# Altium PCB TCM.PcbDoc (part 5 of 10)
Units mm, origin at the board's own origin, x right, y up, seen from the top; angles counter-clockwise.
Board outline 280.25 x 366.95 mm, 6 copper layers (Top, L2, L3, L4, L5, Bot), stack 1.536 mm thick; 503 components, 762 nets, 3201 pads, 1645 vias.
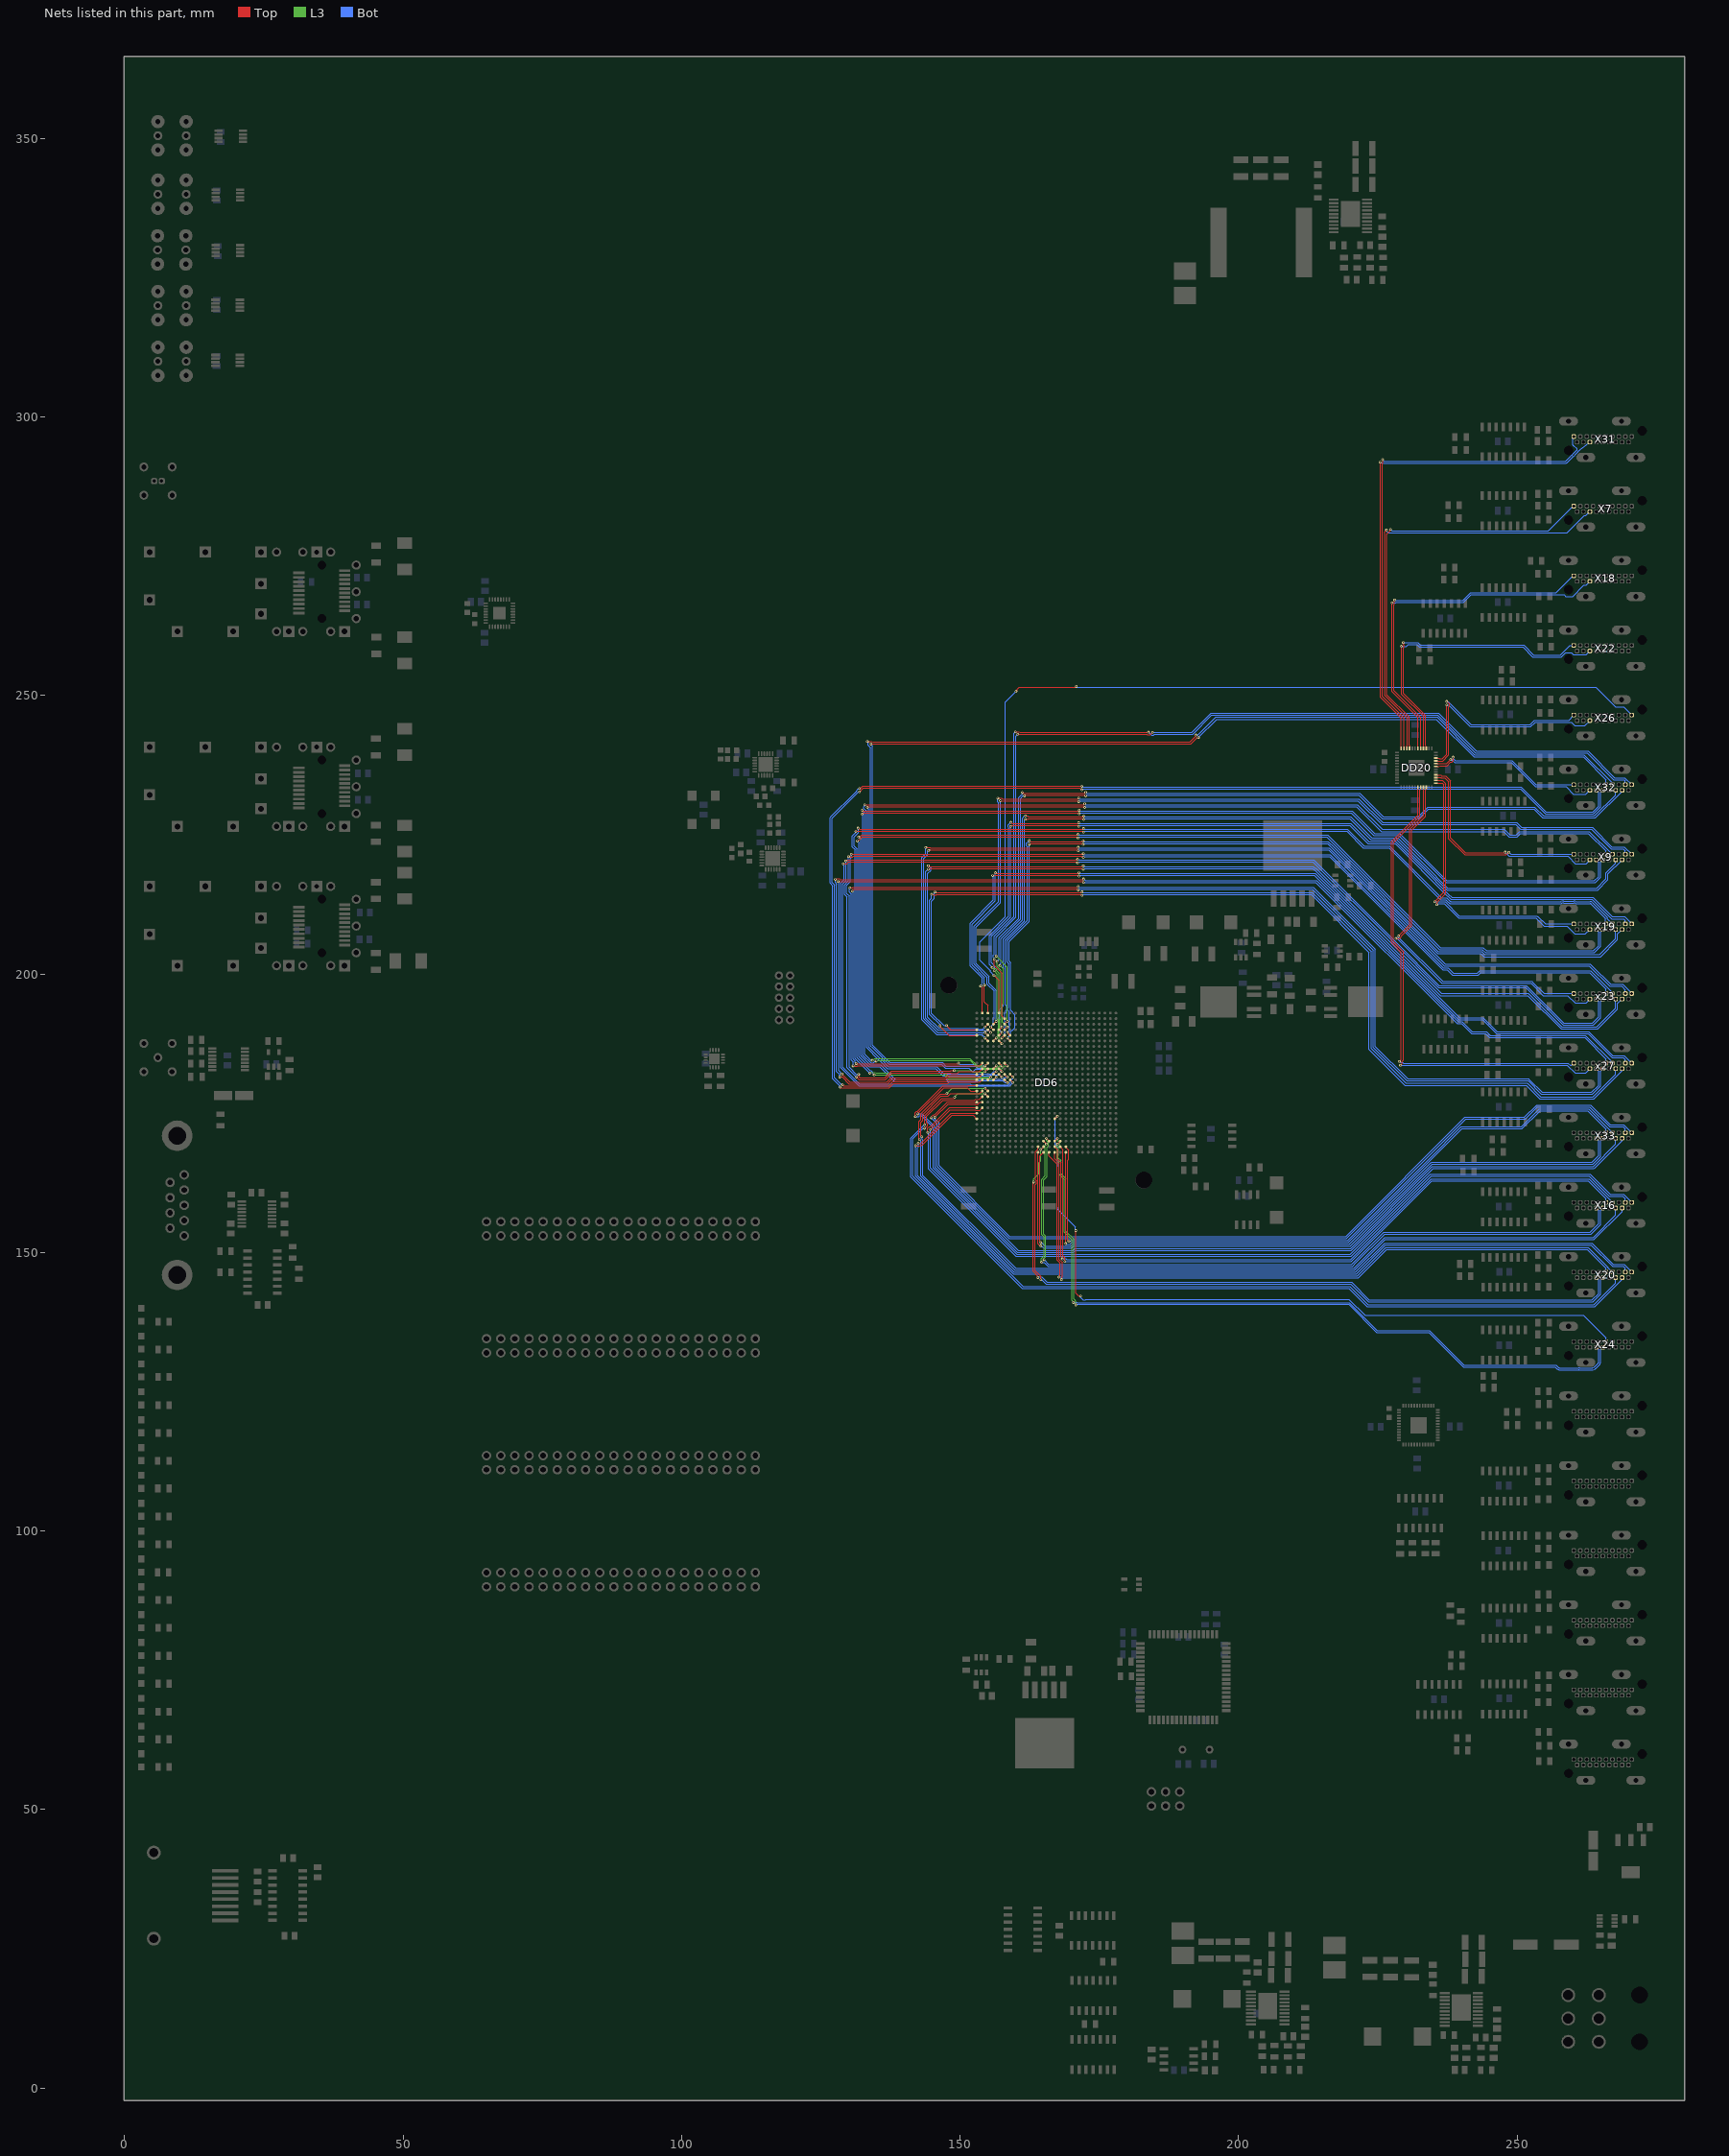
[diagram p9: the nets of this part, all layers, seen from the top]

## Via types
v1: diameter 0.48, hole 0.25, Top to Bot, tented both sides, 1515 vias
v2: diameter 1, hole 0.6, Top to Bot, tented both sides, 117 vias
v3: diameter 0.8, hole 0.4, Top to Bot, tented both sides, 8 vias
v4: diameter 5, hole 2.7, Top to Bot, tented both sides, 4 vias
v5: diameter 0.48/0/0/0/0/0.48 (per signal layer), hole 0.25, Top to Bot, tented both sides, 1 vias

## Nets (pads, with @x,y where several pads share a name; then routed paths per layer and width w, separated by ;. In a path a pad name is that pad's centre, name@x,y a point inside that pad or via, vN(x,y) a via of type N, cw(c..) or ccw(c..) an arc to the next point about the centre after c; other vN are vias at no path point) (continued)
HDMIA4.TCM_DT1_P: DD6.AB1 X26.1 | length 175.1
  Top w0.1: DD6.AB1@157,193 157,195.5
  Top w0.2: v1(156.104,199.729) 156.166,199.729 157,198.895 157,195.5 ; v1(160.051,250.739) 160.051,250.784 160.273,251.006 160.273,251.129 160.633,251.489 170.737,251.489 v1(170.877,251.629)
  Bot w0.2: v1(156.104,199.729) 155.46,200.373 155.46,200.554 153.558,202.456 153.558,205.743 158.134,210.319 158.134,248.822 v1(160.051,250.739) ; v1(170.877,251.629) 170.877,251.52 170.908,251.489 264.136,251.489 267.701,247.924 269.176,247.924 X26.1@270.6,246.5
HDMIA5.TCM_DA0_N: DD6.AE13 X32.12 | length 220.9
  Top w0.1: 150.5,180.617 150.692,180.617 150.724,180.585 153.585,180.585 DD6.AE13@154,181
  Top w0.2: v1(128.454,179.699) 128.562,179.592 137.313,179.592 138.042,180.321 147.762,180.321 148.059,180.617 150.5,180.617 ; v1(131.931,233.33) 132.129,233.33 132.521,233.722 v1(171.859,233.722)
  Bot w0.2: v1(128.454,179.699) 128.454,179.897 127.15,181.202 127.15,215.87 126.697,216.322 126.697,228.092 126.8,228.195 131.152,232.547 131.441,232.836 131.441,232.903 131.728,233.19 131.931,233.19 v1(131.931,233.33) ; v1@171.935,233.582 250.76,233.582 255.215,229.126 263.617,229.126 264.65,230.159 264.65,232.597 X32.12@264.247,233
HDMIA5.TCM_DA0_P: DD6.AF13 X32.10 | length 219.2
  Top w0.1: 150.5,180.967 152.967,180.967 DD6.AF13@153,181
  Top w0.2: v1(128.9,180.145) 129.103,179.942 137.168,179.942 137.897,180.671 147.617,180.671 147.914,180.967 150.5,180.967 ; v1(131.931,232.7) 131.994,232.7 132.666,233.372 171.516,233.372 171.656,233.232 171.719,233.232 v1(171.859,233.092)
  Bot w0.2: v1(128.9,180.145) 128.702,180.145 127.5,181.347 127.5,216.015 127.047,216.467 127.047,227.947 131.8,232.7 v1(131.931,232.7) ; v1(171.859,233.092) 171.859,233.156 171.935,233.232 250.615,233.232 255.07,228.776 263.762,228.776 265,230.014 265,232.597 X32.10@265.402,233
HDMIA5.TCM_DA1_N: DD6.AC11 X32.9 | length 218.2
  Top w0.1: DD6.AC11@156,183 v1(156.5,183.5)
  Top w0.2: v1(134,241.304) 191.439,241.304 192.591,242.456 v1(192.789,242.456)
  Bot w0.1: 150.5,183.486 152.794,183.486 153.175,183.105 156.105,183.105 v1(156.5,183.5)
  Bot w0.2: v1(134,241.304) 134.3,241.004 134.3,187.206 136.673,184.833 136.673,184.831 137.404,184.1 146.855,184.1 147.469,183.486 150.5,183.486 ; v1(192.789,242.456) 196.09,245.757 235.478,245.757 242.252,238.983 261.89,238.983 265.98,234.893 X32.9@265.98,234
HDMIA5.TCM_DA1_P: DD6.AB11 X32.7 | length 222.3
  Top w0.1: DD6.AB11@157,183 v1(157.5,182.5)
  Top w0.2: v1@133.354,241.654 133.657,241.654 133.797,241.794 134.203,241.794 134.343,241.654 191.294,241.654 192.343,242.704 v1(192.343,242.902)
  Bot w0.1: 150.5,183.136 151.605,183.136 152.136,182.605 152.464,182.605 152.763,182.905 156.985,182.905 157.389,182.5 v1(157.5,182.5)
  Bot w0.2: v1@133.31,241.705 133.51,241.505 133.51,241.102 133.95,240.662 133.95,215.698 133.95,212.902 133.95,187.061 134.155,186.857 134.155,186.855 135.624,185.385 135.626,185.385 136.323,184.688 136.323,184.686 137.259,183.75 146.71,183.75 147.324,183.136 150.5,183.136 ; v1(192.343,242.902) 192.541,242.902 192.586,242.946 192.784,242.946 195.945,246.107 235.623,246.107 242.397,239.333 262.035,239.333 267.135,234.233 X32.7@267.135,234
  other v1: 133.354,241.75
HDMIA5.TCM_DT0_N: DD6.AB4 X32.6 | length 157.3
  Top w0.1: DD6.AB4@157,190 v1(157.5,190.5)
  Top w0.2: v1(161.209,232.59) 161.309,232.489 172.414,232.489 v1(172.554,232.629)
  L3 w0.1: 157.357,195.5 157.357,194.644 157.355,194.642 157.355,190.645 v1(157.5,190.5)
  L3 w0.17: v1(156.635,202.251) 156.635,201.367 157.357,200.646 157.357,195.5
  Bot w0.2: v1(156.635,202.251) 157.002,202.617 157.002,206.491 160.509,209.998 160.509,231.649 161.209,232.349 v1(161.209,232.59) ; v1(172.554,232.629) 172.691,232.492 173.016,232.492 173.021,232.486 221.785,232.486 221.887,232.384 226.01,228.261 232.265,228.261 233.975,229.971 253.149,229.971 254.751,228.37 263.94,228.37 267.712,232.142 X32.6@267.712,233
HDMIA5.TCM_DT0_P: DD6.AA4 X32.4 | length 157.6
  Top w0.1: DD6.AA4@158,190 v1(158.5,190.5)
  Top w0.2: v1(161.559,231.999) 161.699,232.139 172.414,232.139 v1(172.554,231.999)
  L3 w0.1: 157.753,195.5 157.753,194.686 157.605,194.539 157.605,191.395 v1(158.5,190.5)
  L3 w0.17: v1(157.146,201.529) 157.753,200.922 157.753,195.5
  Bot w0.2: v1(157.146,201.529) 157.146,201.753 157.389,201.997 157.389,206.384 160.859,209.853 160.859,231.504 161.354,231.999 v1(161.559,231.999) ; v1(172.554,231.999) 172.691,232.136 221.64,232.136 225.865,227.911 232.41,227.911 234.12,229.621 253.004,229.621 254.606,228.02 264.085,228.02 268.867,232.802 X32.4@268.866,233
HDMIA5.TCM_DT1_N: DD6.AA2 X32.3 | length 170.8
  Top w0.1: 157.5,195.5 157.5,192.5 DD6.AA2@158,192
  Top w0.2: v1(156.131,202.663) 156.131,201.542 157.5,200.174 157.5,195.5 ; v1(159.923,243.476) 159.968,243.521 160.661,243.521 160.812,243.37 v1@183.832,243.37
  Bot w0.2: v1(156.131,202.663) 156.131,202.907 156.012,203.026 156.012,203.432 156.132,203.552 156.132,206.784 159.708,210.361 159.708,243.261 v1(159.923,243.476) ; v1(183.832,243.412) 183.842,243.412 184.361,242.894 184.766,242.894 184.906,243.034 191.783,243.034 195.206,246.457 235.768,246.457 242.542,239.683 262.594,239.683 267.374,234.903 269.202,234.903 269.445,234.66 X32.3@269.445,234
HDMIA5.TCM_DT1_P: DD6.AA3 X32.1 | length 171.9
  Top w0.1: DD6.AA3@158,191 v1(158.5,191.5)
  Top w0.2: v1@160.369,243.02 183.532,243.02 183.629,242.922 184.102,242.922 v1(184.563,243.384)
  L3 w0.1: v1(158.5,191.5) 158.5,195.5
  L3 w0.17: v1(156.502,203.229) 158.5,201.232 158.5,195.5
  Bot w0.2: v1(156.502,203.229) 156.489,203.242 156.489,206.647 160.058,210.216 160.058,242.72 v1(160.369,243.031) ; v1(184.563,243.384) 191.638,243.384 195.061,246.807 235.913,246.807 242.687,240.033 262.739,240.033 267.519,235.253 269.347,235.253 X32.1@270.6,234
HDMIA6.TCM_DA0_N: DD6.AB10 X9.12 | length 211.9
  Top w0.1: DD6.AB10@157,184 v1(157.5,183.5)
  Top w0.2: v1(132.4,229.4) 132.536,229.264 171.244,229.264 v1(171.384,229.404)
  L3 w0.1: 150.48,184.82 151.79,184.82 153.015,183.595 153.847,183.595 154.337,183.105 156.664,183.105 156.895,183.336 157.059,183.5 v1(157.5,183.5)
  L3 w0.17: v1(134.25,184.511) 134.402,184.511 134.727,184.836 135.12,184.836 135.137,184.82 150.48,184.82
  Bot w0.2: v1(132.4,229.4) 132.9,228.9 132.9,185.595 133.984,184.511 v1(134.25,184.511) ; v1(171.384,229.404) 171.384,229.333 171.453,229.264 220.405,229.264 224.434,225.235 228.913,225.235 237.398,216.75 250.831,216.75 263.913,216.75 264.65,217.487 264.65,220.097 X9.12@264.247,220.5
HDMIA6.TCM_DA0_P: DD6.AA10 X9.10 | length 213.4
  Top w0.1: DD6.AA10@158,184 v1(158.5,183.5)
  Top w0.2: v1(132.4,228.7) 132.614,228.914 171.244,228.914 v1(171.384,228.774)
  L3 w0.1: 150.5,184.5 151.827,184.5 152.932,183.395 153.764,183.395 154.262,182.897 157.456,182.897 158.059,183.5 v1(158.5,183.5)
  L3 w0.17: v1(134.924,184.361) 135.062,184.5 150.5,184.5
  Bot w0.2: v1(132.4,228.7) 132.55,228.55 132.55,185.45 133.978,184.021 134.453,184.021 134.793,184.361 v1(134.924,184.361) ; v1(171.384,228.774) 171.384,228.844 171.453,228.914 220.26,228.914 224.289,224.885 228.768,224.885 237.253,216.4 250.686,216.4 264.058,216.4 265,217.342 265,220.097 X9.10@265.402,220.5
HDMIA6.TCM_DA1_N: DD6.AC12 X9.9 | length 206.1
  Top w0.1: DD6.AC12@156,182 v1(156.5,182.5)
  Top w0.2: v1(133.354,229.9) 133.512,230.057 172.241,230.057 v1(172.381,229.917)
  Bot w0.1: 150.5,182.105 155.664,182.105 156.058,182.5 v1(156.5,182.5)
  Bot w0.2: v1(133.354,229.9) 133.6,229.654 133.6,186.914 135.479,185.035 135.481,185.035 135.973,184.543 135.973,184.541 137.114,183.4 145.789,183.4 147.085,182.105 150.5,182.105 ; v1(172.381,229.917) 172.521,230.057 221.216,230.057 225.67,225.604 247.583,225.604 248.464,224.723 248.566,224.62 250.015,224.62 250.118,224.723 250.649,225.254 262.819,225.254 265.977,222.096 265.977,221.502 X9.9@265.98,221.5
HDMIA6.TCM_DA1_P: DD6.AB12 X9.7 | length 209.7
  Top w0.1: DD6.AB12@157,182 v1(157.5,181.5)
  Top w0.2: v1(132.9,230.4) 132.907,230.407 172.241,230.407 v1(172.381,230.547)
  Bot w0.1: 150.5,181.755 155.196,181.755 155.336,181.895 157.058,181.895 157.453,181.5 v1(157.5,181.5)
  Bot w0.2: v1(132.9,230.4) 132.864,230.364 132.864,230.13 132.762,230.028 132.762,229.738 133.25,229.25 133.25,186.769 135.334,184.685 135.336,184.685 135.623,184.398 135.623,184.396 136.969,183.05 145.644,183.05 146.94,181.755 150.5,181.755 ; v1(172.381,230.547) 172.521,230.407 221.361,230.407 225.815,225.954 247.728,225.954 248.711,224.97 249.87,224.97 250.504,225.604 262.964,225.604 267.068,221.5 X9.7@267.135,221.5
HDMIA6.TCM_DT0_N: DD6.AB5 X9.6 | length 156.5
  Top w0.1: DD6.AB5@157,189 v1(157.5,189.5)
  Top w0.2: v1(161.733,228.419) 162.106,228.419 162.297,228.228 172.09,228.228 v1(172.23,228.368)
  Bot w0.1: v1(157.5,189.5) 157.105,189.895 157.105,193.642 157.784,194.321 157.779,194.326 157.779,195.5
  Bot w0.2: 157.779,195.5 157.779,206.278 161.209,209.708 161.209,209.721 161.233,209.745 161.233,227.784 161.243,227.794 161.243,227.992 161.53,228.279 161.637,228.386 161.637,228.419 v1(161.733,228.419) ; v1(172.23,228.368) 172.37,228.228 220.13,228.228 223.908,224.45 228.549,224.45 228.665,224.334 233.404,219.594 ; 233.301,219.697 233.404,219.594 ; X9.6@267.712,220.5 267.712,219.84 266.001,218.128 266.001,217.107 264.33,215.436 237.562,215.436 233.404,219.594
HDMIA6.TCM_DT0_P: DD6.AA5 X9.4 | length 157.4
  Top w0.1: v1(157.5,188.5) DD6.AA5@158,189
  Top w0.2: v1(161.733,227.789) 162.208,227.789 162.297,227.878 172.09,227.878 v1(172.23,227.738)
  Bot w0.1: v1(157.5,188.5) 158.067,189.067 158.067,193.019 158.183,193.135 158.183,193.424 158.395,193.636 158.395,194.176 158.129,194.442 158.129,195.5
  Bot w0.2: 158.129,195.5 158.129,206.133 161.559,209.563 161.559,209.576 161.583,209.6 161.583,227.639 v1(161.733,227.789) ; v1(172.23,227.738) 172.37,227.878 219.985,227.878 223.763,224.1 228.404,224.1 233.259,219.244 237.417,215.086 264.475,215.086 266.351,216.962 266.351,217.983 X9.4@268.866,220.5
HDMIA6.TCM_DT1_N: DD6.AC3 X9.3 | length 160.4
  Top w0.1: DD6.AC3@156,191 v1(156.5,191.5)
  Top w0.2: v1@157.233,231.106 171.168,231.106 v1(171.308,230.966)
  Bot w0.1: 156.459,195.5 156.459,191.541 v1(156.5,191.5)
  Bot w0.2: 156.459,195.5 156.459,197.076 155.229,198.306 155.229,199.527 152.853,201.903 152.853,208.458 157.233,212.838 v1(157.233,231.116) ; v1(171.308,230.966) 171.308,230.992 171.421,231.106 221.465,231.106 225.732,226.839 249.797,226.839 250.66,225.976 263.406,225.976 266.882,222.5 269.105,222.5 269.445,222.16 X9.3@269.445,221.5
HDMIA6.TCM_DT1_P: DD6.AC4 X9.1 | length 163.4
  Top w0.1: v1(155.5,190.5) DD6.AC4@156,190
  Top w0.2: v1(156.787,231.561) 156.832,231.606 157.436,231.606 157.586,231.456 171.168,231.456 v1(171.308,231.596)
  Bot w0.1: v1(155.5,190.5) 156.012,191.012 156.012,192.163 156.109,192.26 156.109,195.5
  Bot w0.2: 156.109,195.5 156.109,196.931 154.879,198.161 154.879,199.382 152.503,201.758 152.503,208.603 156.883,212.983 156.883,230.773 156.743,230.913 156.743,231.517 v1(156.787,231.561) ; v1@171.421,231.456 221.61,231.456 225.877,227.189 249.942,227.189 250.805,226.326 263.551,226.326 267.027,222.85 269.25,222.85 X9.1@270.6,221.5
HDMIA7.TCM_DA0_N: DD6.AA12 X19.12 | length 213.7
  Top w0.1: DD6.AA12@158,182 v1(158.5,181.5)
  Top w0.2: v1(131.8,224.6) 132.005,224.6 132.342,224.937 171.057,224.937 v1(171.197,225.077)
  Bot w0.1: 150.5,180.998 153.024,180.998 153.131,181.105 157.663,181.105 158.059,181.5 v1(158.5,181.5)
  Bot w0.2: v1(131.8,224.6) 132.2,224.2 132.2,185.305 133.834,183.671 135.727,183.671 138.4,180.998 150.5,180.998 ; v1(171.197,225.077) 171.197,224.984 171.244,224.937 216.017,224.937 236.219,204.735 243.929,204.735 244.485,204.178 263.728,204.178 264.65,205.1 264.65,207.597 X19.12@264.247,208
HDMIA7.TCM_DA0_P: DD6.AA13 X19.10 | length 214.5
  Top w0.1: DD6.AA13@158,181 v1(158.5,180.5)
  Top w0.2: v1(131.561,223.9) 131.8,223.9 132.487,224.587 171.057,224.587 v1(171.197,224.447)
  Bot w0.1: 150.5,180.648 153.107,180.648 153.353,180.895 157.664,180.895 158.058,180.5 v1(158.5,180.5)
  Bot w0.2: v1(131.561,223.9) 131.85,223.611 131.85,185.16 133.689,183.321 135.582,183.321 138.255,180.648 150.5,180.648 ; v1(171.197,224.447) 171.197,224.54 171.244,224.587 215.872,224.587 236.074,204.385 243.784,204.385 244.34,203.828 263.873,203.828 265,204.955 265,207.597 X19.10@265.402,208
HDMIA7.TCM_DA1_N: DD6.AD13 X19.9 | length 210
  Top w0.1: DD6.AD13@155,181 v1(155.5,181.5)
  Top w0.2: v1(131.3,225.619) 172.023,225.619 v1(172.163,225.479)
  L3 w0.1: 150.5,181.475 152.965,181.475 152.99,181.5 v1(155.5,181.5)
  L3 w0.17: v1(133.805,182.221) 133.94,182.356 134.783,182.356 134.93,182.209 147.286,182.209 148.02,181.475 150.5,181.475
  Bot w0.2: v1(131.3,225.619) 131.3,225.4 130.65,224.75 130.65,222.85 131.15,222.35 131.15,184.851 133.78,182.221 v1(133.805,182.221) ; v1(172.163,225.479) 172.163,225.536 172.246,225.619 219.415,225.619 222.409,222.625 227.005,222.625 236.28,213.35 237.234,213.35 237.661,212.924 237.662,212.922 ; 237.662,212.922 237.763,212.821 ccw(c238.152,213.21) 238.152,212.66 257.83,212.66 257.831,212.66 ; 257.832,212.66 ccw(c257.83,213.21) 258.01,212.69 ccw(c257.954,212.856) 258.013,212.691 cw(c258.35,211.75) 258.35,212.75 260.153,212.75 cw(c260.15,211.75) 260.487,212.691 ccw(c260.546,212.856) 260.489,212.691 ccw(c260.67,213.21) 260.668,212.66 ; 260.669,212.66 260.67,212.66 263.136,212.66 cw(c263.136,212.46) 263.278,212.601 ; 263.278,212.601 263.378,212.501 263.38,212.499 265.878,210 265.878,209.101 X19.9@265.98,209
HDMIA7.TCM_DA1_P: DD6.AC13 X19.7 | length 212.2
  Top w0.1: DD6.AC13@156,181 v1(156.5,181.5)
  Top w0.2: v1(131.7,226.2) 131.931,225.969 172.023,225.969 v1(172.163,226.109)
  L3 w0.1: 150.5,181.155 152.976,181.155 153.116,181.295 155.11,181.295 155.301,181.105 156.104,181.105 v1(156.5,181.5)
  L3 w0.17: v1@134.594,181.889 147.153,181.889 147.888,181.155 150.5,181.155
  Bot w0.2: v1(131.7,226.2) 131.79,226.11 131.79,225.395 131,224.605 131,223 131.5,222.5 131.5,185.015 133.804,182.711 134.008,182.711 134.295,182.424 134.295,182.202 134.586,181.91 v1(134.586,181.881) ; v1@172.246,225.969 219.56,225.969 222.554,222.975 227.15,222.975 232.065,218.06 236.425,213.7 237.379,213.7 237.908,213.171 238.011,213.069 ccw(c238.152,213.21) 238.152,213.01 257.83,213.01 ccw(c257.83,213.21) 257.896,213.021 cw(c257.954,212.856) 257.897,213.022 cw(c258.35,211.75) 258.35,213.1 260.154,213.1 cw(c260.15,211.75) 260.603,213.022 ccw(c260.67,213.21) 260.67,213.01 263.136,213.01 cw(c263.136,212.46) 263.525,212.849 263.627,212.746 266.228,210.145 266.228,209.906 X19.7@267.135,209
HDMIA7.TCM_DT0_N: DD6.Y5 X19.6 | length 154
  Top w0.1: v1(158.5,189.5) DD6.Y5@159,189
  Top w0.2: v1(162.437,223.974) 162.45,223.974 162.664,223.76 171.98,223.76 v1(172.12,223.9)
  Bot w0.1: v1(158.5,189.5) 158.895,189.895 158.895,190.829 158.8,190.925 158.8,191.241 158.895,191.336 158.895,191.664 158.8,191.759 158.8,193.349 158.595,193.553 158.595,193.919 158.706,194.03 158.706,195.5
  Bot w0.2: 158.706,195.5 158.706,201.914 158.479,202.141 158.479,205.988 161.909,209.418 161.909,209.431 162.093,209.615 162.093,222.849 162.083,222.858 162.083,222.955 161.953,223.085 161.953,223.491 162.24,223.778 v1(162.437,223.974) v1(162.437,223.974) ; v1@172.196,223.76 216.116,223.76 216.556,223.319 216.575,223.319 235.859,204.035 243.639,204.035 244.201,203.473 264.856,203.473 267.712,206.329 X19.6@267.712,208
HDMIA7.TCM_DT0_P: DD6.Y6 X19.4 | length 155.7
  Top w0.1: v1(158.5,188.5) DD6.Y6@159,188
  Top w0.2: v1(162.443,223.288) 162.564,223.41 171.98,223.41 v1(172.12,223.27)
  Bot w0.1: v1(158.5,188.5) 159.095,189.095 159.095,189.653 159.336,189.895 159.453,189.895 159.895,190.336 159.895,191.336 ; 159.095,195.5 159.095,193.5 159.895,192.7 159.895,191.664 ; 159.895,191.336 159.895,191.664
  Bot w0.2: 159.095,195.5 159.095,202.02 158.829,202.286 158.829,205.843 162.259,209.273 162.259,209.286 162.443,209.47 v1(162.443,223.288) ; v1(172.12,223.27) 172.12,223.334 172.196,223.41 215.971,223.41 216.412,222.969 216.43,222.969 235.714,203.685 243.494,203.685 244.056,203.123 265.001,203.123 268.062,206.184 268.062,207.195 X19.4@268.866,208
HDMIA7.TCM_DT1_N: DD6.AC6 X19.3 | length 158.9
  Top w0.1: DD6.AC6@156,188 v1(156.5,188.5)
  Top w0.2: v1(159.095,226.527) 159.235,226.667 171.163,226.667 v1(171.303,226.527)
  L3 w0.1: v1(156.5,188.5) 156.809,188.808 156.809,190.25 156.895,190.336 156.895,191.664 156.689,191.87 156.689,195.5
  L3 w0.17: v1@156.059,200.504 v1(156.132,200.576) 156.689,200.018 156.689,195.633 156.689,195.5
  Bot w0.2: 156.11,200.83 156.274,200.994 156.274,201.4 155.599,202.074 155.599,206.747 159.095,210.243 v1(159.095,226.527) ; v1@171.417,226.667 219.98,226.667 223.248,223.4 228.114,223.4 237.463,214.05 237.524,214.05 238.143,213.431 263.47,213.431 266.973,209.927 269.146,209.927 269.445,209.628 X19.3@269.445,209
HDMIA7.TCM_DT1_P: DD6.AB6 X19.1 | length 162.4
  Top w0.1: DD6.AB6@157,188 v1(157.5,187.5)
  Top w0.2: v1(159.133,227.222) 159.337,227.017 171.163,227.017 v1(171.303,227.157)
  L3 w0.1: 157.009,195.5 157.009,191.919 157.095,191.833 157.095,190.253 157.009,190.167 157.009,187.991 v1(157.5,187.5)
  L3 w0.17: v1(155.784,201.197) 155.932,201.048 155.935,201.051 156.328,201.051 156.607,200.773 156.607,200.554 157.009,200.151 157.009,195.501
  Bot w0.2: v1(155.784,201.197) 155.249,201.731 155.249,206.892 158.745,210.388 158.745,226.184 158.605,226.324 158.605,226.73 159.096,227.222 v1(159.133,227.222) ; v1@171.417,227.017 220.125,227.017 223.393,223.75 228.259,223.75 233.114,218.894 237.608,214.4 237.669,214.4 238.288,213.781 263.615,213.781 267.118,210.277 269.323,210.277 X19.1@270.6,209
HDMIA8.TCM_DA0_N: DD6.Y12 x23.12 | length 221.9
  Top w0.1: DD6.Y12@159,182 v1(159.5,181.5)
  Top w0.2: v1@129.5,220.331 129.635,220.465 170.968,220.465 v1(171.108,220.605)
  Bot w0.1: 150.5,180.233 151.84,180.233 151.978,180.095 154.746,180.095 ; 154.747,180.095 158.653,180.095 159.105,180.547 159.105,180.895 159.5,181.29 v1(159.5,181.5)
  Bot w0.2: v1(129.5,220.3) 129.5,220.22 129.49,220.21 129.5,220.2 129.5,216.8 128.9,216.2 128.9,183.3 131.967,180.233 150.5,180.233 ; v1@171.223,220.465 213.518,220.465 227.773,206.21 ; 227.773,206.181 228.06,205.894 228.089,205.894 236.025,197.958 251.699,197.958 258.425,191.233 263.58,191.233 264.65,192.303 264.65,195.097 x23.12@264.247,195.5
HDMIA8.TCM_DA0_P: DD6.Y13 x23.10 | length 222.4
  Top w0.1: DD6.Y13@159,181 v1(159.5,180.5)
  Top w0.2: v1(129,219.8) 129.693,219.8 130.008,220.115 170.968,220.115 v1(171.108,219.975)
  Bot w0.1: 150.5,179.885 151.583,179.885 151.593,179.895 154.664,179.895 158.895,179.895 v1(159.5,180.5)
  Bot w0.2: v1(129,219.8) 129,219.602 129.15,219.452 129.15,216.945 128.55,216.345 128.55,183.155 131.822,179.883 147.516,179.883 ; 147.517,179.883 147.516,179.883 ; 150.5,179.885 147.517,179.885 147.516,179.883 ; v1@171.223,220.115 213.373,220.115 227.423,206.065 ; 227.423,206.036 227.915,205.544 227.944,205.544 235.771,197.717 235.88,197.608 251.554,197.608 258.28,190.883 263.725,190.883 265,192.158 265,195.097 x23.10@265.402,195.5
HDMIA8.TCM_DA1_N: DD6.AE11 x23.9 | length 211.9
  Top w0.1: 150.5,182.5 152.105,182.5 153.5,182.5 DD6.AE11@154,183
  Top w0.2: v1@129.897,221.01 v1@130,221.01 ; v1(130,221.1) 130.214,221.1 130.297,221.017 130.703,221.017 130.843,221.157 171.795,221.157 171.852,221.099 171.997,221.099 v1(172.137,220.959) ; v1(131.372,181.526) 131.89,181.008 136.615,181.008 137.148,181.54 137.839,182.232 148.308,182.232 148.389,182.151 149.509,182.151 149.858,182.5 150.5,182.5
  Bot w0.2: v1(130,221.1) 130,216.747 129.297,216.045 129.297,214.302 129.4,214.2 129.75,213.85 129.75,183.149 v1(131.372,181.526) ; v1(172.137,220.959) 172.137,221.099 216.32,221.099 236.66,200.76 237.489,200.76 237.98,200.269 238.409,199.84 243.04,199.84 243.469,200.269 263.031,200.269 265.977,197.323 x23.9@265.977,196.502